# Altium PCB jieneng.PcbDoc
Units mm, origin at the board's own origin, x right, y up, seen from the top; angles counter-clockwise.
Board outline 66.04 x 28.32 mm, 2 copper layers (Top Layer, Bottom Layer); 45 components, 39 nets, 205 pads, 149 vias.
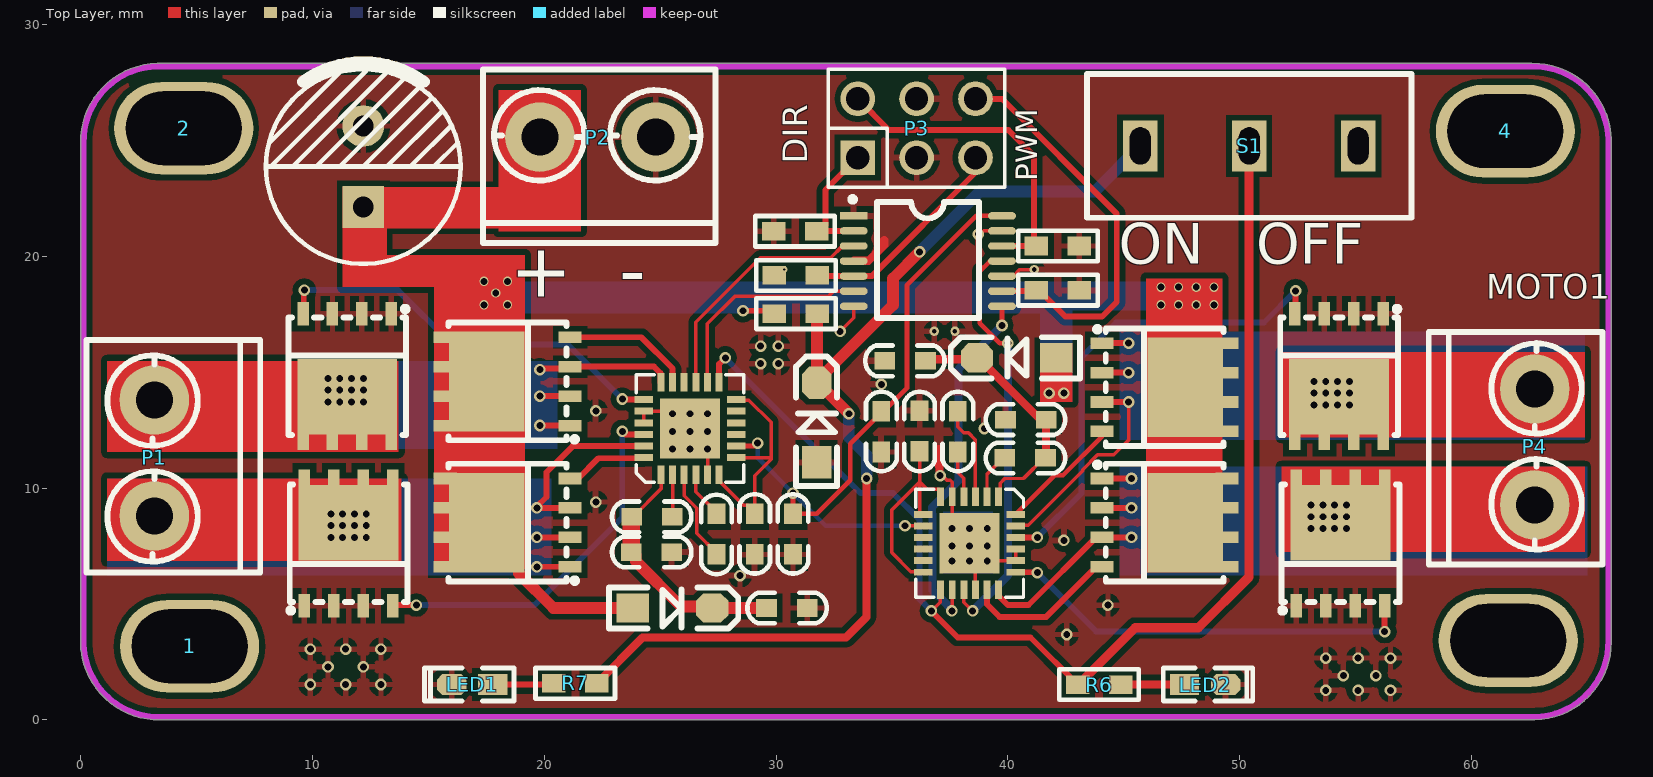
[diagram p0: Top Layer view]
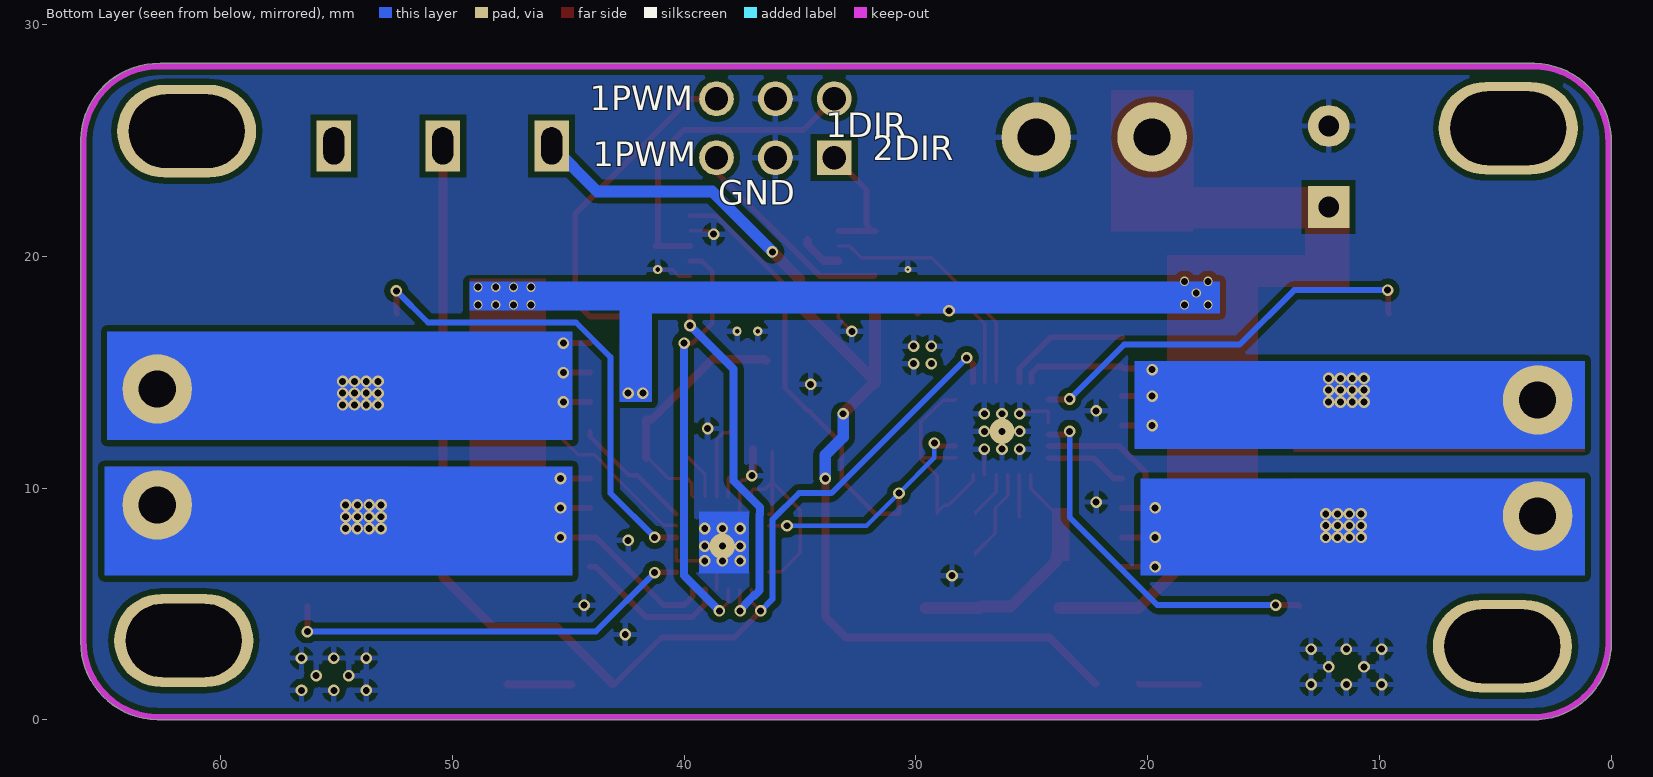
[diagram p1: Bottom Layer view, seen from below]
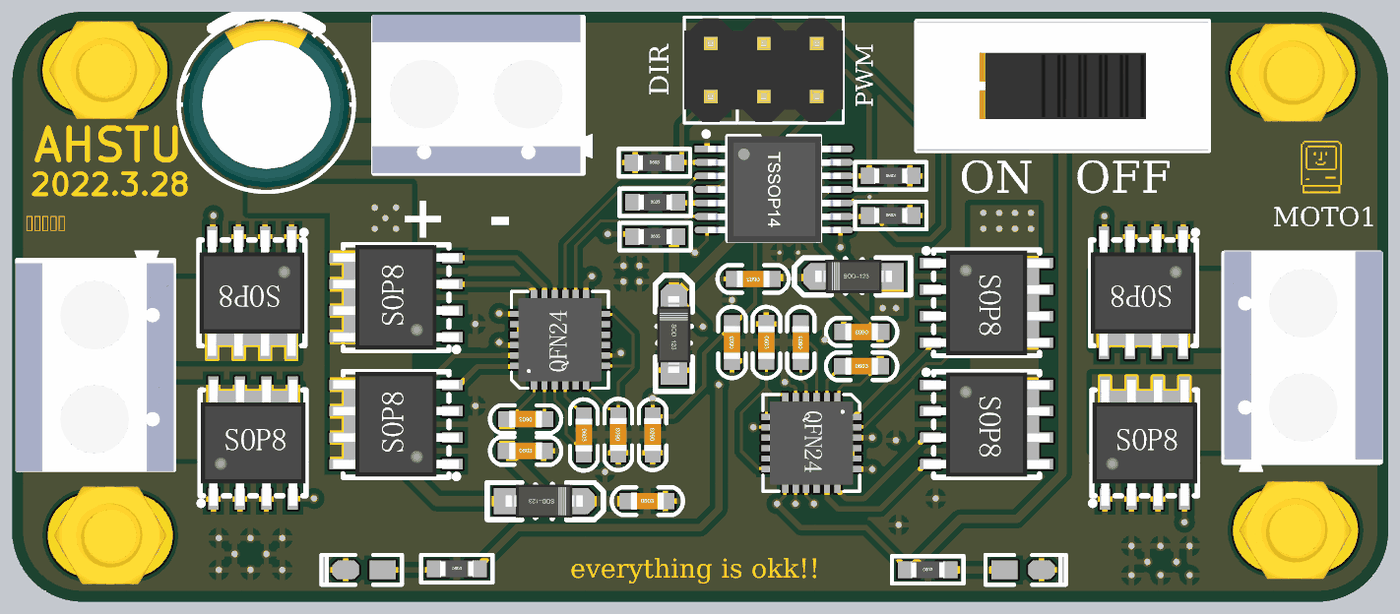
[diagram p2: 3D render of the assembled board from above, using the file's embedded part models]

## Layer stack, top to bottom
Top Solder: solder mask 0.0102, Solder Resist, Dk 3.5
Top Layer: signal copper 0.0356
Dielectric 1: dielectric 0.32, FR-4, Dk 4.8
Bottom Layer: signal copper 0.0356
Bottom Solder: solder mask 0.0102, Solder Resist, Dk 3.5

## Board outline
0,3.3 cw(c0.127,3.302) 0,3.302 0,24.891 cw(c3.365,24.956) 3.3,28.321 cw(c3.302,28.194) 3.303,28.321 62.61,28.321 cw(c62.674,24.956) 66.04,25.021 cw(c65.913,25.019) 66.04,25.019 66.04,3.43 ccw(c62.674,3.365) 66.04,3.431 66.04,3.43 cw(c62.674,3.365) 66.041,3.365 cw(c62.674,3.365) 62.74,0 cw(c62.738,0.127) 62.738,0 3.43,0 ccw(c3.365,3.365) 3.431,0 3.43,0 cw(c3.365,3.365) 0.022,2.977 cw(c0.127,3.048)

## Design rules (kind name [scope] priority, off if disabled: settings)
Clearance [All] p1: gap=0.254 ignorepadtopadclearanceinfootprint=FALSE except(0: Arc-Hole Track-Hole SMDPad-Hole THPad-Hole Via-Hole Fill-Hole Poly-Hole Region-Hole Text-Hole)
HoleSize [All] p1: absolutevalues=TRUE maxlimit=2.54 minlimit=0.015 maxpercent=80.000 minpercent=20.000
HoleToHoleClearance [All] p1: gap=0 allowstackedmicrovias=TRUE
PolygonConnect [All] p1: connectstyle=Relief reliefconductorwidth=0.254 reliefentries=4 polygonreliefangle="90 Angle" airgapwidth=0.254
RoutingVias [All] p1: holewidth=0.711 width=1.27 viastyle="Through Hole" minholewidth=0.711 minwidth=1.27 maxholewidth=0.711 maxwidth=1.27
SilkToSolderMaskClearance [IsPad] p1: minsilkscreentomaskgap=0.1 clearancetoexposedcopper=TRUE
SolderMaskExpansion [All] p1: expansion=0.102 istentingtop=FALSE
Width [All] p1: maxlimit=0.5 minlimit=0.15 preferedwidth=0.254 minimp=50.000000 maximp=50.000000 favimp=50.000000
27 further rules are at their usual default settings.

## Components (designator, comment, footprint, x,y, rotation, side; value= is the part's Value field where it differs from the comment)
1 "Hole" Hole 4.699,3.175 r180 top
2 "Hole" Hole 4.445,25.527 r180 top
3 "Hole" Hole 61.595,3.423 r180 top
4 "Hole" Hole 61.468,25.4 r180 top
C1 "100nF" "C 0603" 27.432,8.001 r270 top
C2 "1uF" "C 0603" 24.638,8.763 r180 top
C3 "1uF" "C 0603" 30.48,4.826 r0 top
C4 "100nF" "C 0603" 24.638,7.239 r0 top
C5 "1uF" "C 0603" 29.083,8.026 r90 top
C6 "1uF" "C 0603" 30.734,8.026 r90 top
C7 "220UF/25V" "CAP 3.5*8*11.5 - GD" 12.192,23.876 r90 top
C8 "100nF" "C 0603" 37.846,12.446 r90 top
C9 "1uF" "C 0603" 40.767,11.303 r0 top
C10 "10uF" "C 0603" 35.56,15.494 r180 top
C11 "100nF" "C 0603" 40.767,12.954 r180 top
C12 "1uF" "C 0603" 36.195,12.446 r270 top
C13 "1uF" "C 0603" 34.544,12.446 r90 top
D1 "BZT52C3V3" SOD-123 31.75,12.827 r90 top
D2 "1N5819" SOD-123 25.527,4.826 r0 top
D3 "1N5819" SOD-123 40.386,15.621 r180 top
LED1 "LED-SMD" "LED 0603R" 16.891,1.531 r180 top
LED2 "LED-SMD" "LED 0603R" 48.514,1.517 r0 top
P1 "Header 2" 接线端子-2 3.175,11.303 r90 top
P2 "Header 2" 接线端子-2 22.312,25.146 r0 top
P3 "Header 3X2" 201S2X3 33.528,24.257 r0 top
P4 "Header 2" 接线端子-2 62.738,11.777 r270 top
Q1 "TPH1R403NL" TPH1R403NL 21.115,6.604 r90 top
Q2 "TPH1R403NL" TPH1R403NL 21.115,12.7 r90 top
Q3 "TPH1R403NL" TPH1R403NL 9.652,4.92 r0 top
Q4 "TPH1R403NL" TPH1R403NL 13.402,17.526 r180 top
Q5 "TPH1R403NL" TPH1R403NL 44.069,16.256 r270 top
Q6 "TPH1R403NL" TPH1R403NL 44.069,10.414 r270 top
Q7 "TPH1R403NL" TPH1R403NL 56.201,17.526 r180 top
Q8 "TPH1R403NL" TPH1R403NL 52.451,4.92 r0 top
R1 "2.2K" "R 0603" 30.861,17.526 r0 top
R2 "10K" "R 0603" 30.823,21.082 r0 top
R3 "10K" "R 0603" 42.164,20.447 r0 top
R4 "10K" "R 0603" 30.861,19.177 r0 top
R5 "10K" "R 0603" 42.164,18.542 r0 top
R6 "10K" "R 0603" 43.942,1.524 r0 top
R7 "10K" "R 0603" 21.336,1.575 r0 top
S1 "ON   OFF" 驱动开关 50.419,24.765 r180 top
U1 "DRV8701E" QFN24 26.289,12.568 r90 top
U2 "DRV8701E" QFN24 38.354,7.62 r270 top
U3 "SN74HC125PWR" TSSOP14 33.351,21.747 r0 top

## Footprints (in the part's own frame and the unit in brackets; to place one, negate y for a bottom-side part, rotate by r counter-clockwise, add the part's x,y. Pads: shape width x height; smd on the part's side, far side on the other; paste and mask are expansions set on the pad)
201S2X3 [mm]
  rect 1.5x1.5 hole 1: 1(0,0)
  round 1.5 hole 1: 2(0,2.54) 3(2.54,0) 4(2.54,2.54) 5(5.08,0) 6(5.08,2.54)
  silkscreen extent -1.27,-1.27 6.35,3.81, body extent -1.27,-1.23 6.35,3.77, height 8.4
"C 0603" [mil]
  rect 35x30 smd: 1(-35,0) 2(34,0)
  silkscreen extent -67,-26 67,26, body extent -31,-16 31,16, height 32
"CAP 3.5*8*11.5 - GD" [mm] "脚距3.5mm直径8mm高度11.5mm"
  rect 1.8x1.8 hole 0.9: 1(-1.75,0)
  round 1.8 hole 0.9: 2(1.75,0)
  silkscreen extent -4.2,-4.2 4.5,4.2, body extent -4,-4 4.01,4, height 11.54
Hole [mm]
  rrect100% 6x4 hole 3.175 slot 5 at 0 deg: 1(0,0)
  body extent -2.7,-2.35 2.7,2.35, height 4.05
"LED 0603R" [mil]
  rect 50x35 smd: 1(-35,0.26)
  oct 50x35 smd: 2(35,0.26)
  silkscreen extent -71,-28 81,28, body extent -31,-16 32,16, height 24
QFN24 [mm]
  rect 2.6x2.6 smd: 0(0.005,0)
  rect 0.8x0.3 smd: 1(-2,1.25) 2(-2,0.75) 3(-2,0.25) 4(-2,-0.25) 5(-2,-0.75) 6(-2,-1.25) 13(2,-1.25) 14(2,-0.75) 15(2,-0.25) 16(2,0.25) 17(2,0.75) 18(2,1.25)
  rect 0.3x0.8 smd: 7(-1.25,-2) 8(-0.75,-2) 9(-0.25,-2) 10(0.25,-2) 11(0.75,-2) 12(1.25,-2) 19(1.25,2) 20(0.75,2) 21(0.25,2) 22(-0.25,2) 23(-0.75,2) 24(-1.25,2)
  silkscreen extent -2.32,-2.32 2.32,2.32, body extent -2,-2 2.01,2, height 0.9
"R 0603" [mil]
  rect 40x31.5 smd: 1(-36.5,0) 2(36.5,0)
  silkscreen extent -68,-26 68,26, body extent -31,-16 32,16, height 16
SOD-123 [mil]
  rect 55x50 smd: 1(-67.5,0)
  oct 55x50 smd: 2(67.5,0)
  silkscreen extent -108,-35 112,35, body extent -73,-31 73,31, height 48
TPH1R403NL [mm] "Connector; D Subminiature; 15 Position; Right Angle; Pitch 0.762 mm"
  rect 0.498x1.001 smd: D(0,5.39) D(1.27,5.39) D(2.54,5.39) D(3.81,5.39) G(3.81,0) S(0,0) S(1.27,0) S(2.54,0)
  rect 4.305x3.251 smd: D(1.905,3.589)
  silkscreen extent -0.69,-0.3 4.44,5.24, body extent -0.6,-0.32 4.42,5.72, height 1.6
TSSOP14 [mm]
  rect 1.2x0.32 smd: 1(0,0)
  oval 1.2x0.32 smd: 2(0,-0.65) 3(0,-1.3) 4(0,-1.95) 5(0,-2.6) 6(0,-3.25) 7(0,-3.9) 8(6.4,-3.9) 9(6.4,-3.25) 10(6.4,-2.6) 11(6.4,-1.95) 12(6.4,-1.3) 13(6.4,-0.65) 14(6.4,0)
  silkscreen extent -0.14,-4.4 5.4,0.81, body extent 0.03,-4.51 6.43,0.59, height 1.2
接线端子-2 [mm]
  round 3 hole 1.6: 1(-2.5,0) 2(2.5,0)
  silkscreen extent -4.95,-4.57 5.08,2.92, body extent -5.05,-4.57 5.55,3.03, height 10
驱动开关 [mm] "脚距322mm"
  rect 1.5x2.2 hole 0.9 slot 1.6 at 90 deg: 1(-4.7,0) 2(0,0) 2222(4.7,0)
  silkscreen extent -7,-3.1 7,3.1, body extent -7,-3.1 7,3.1, height 9.65

## Part data
C1 C2 C3 C4 C5 C6 C8 C9 C10 C11 C12 C13: library part C, "无极性贴片电容"
C7: library part C-CAP, "直插电解电容"
D1 D2 D3: library part 1N4007_1, "整流二极管"
LED1 LED2: "贴片LED"
P1 P2 P4: "Header, 2-Pin", LatestRevisionDate=17-Jul-2002, LatestRevisionNote="Re-released for DXP Platform.", Publisher="Altium Limited"
P3: "Header, 3-Pin, Dual row", LatestRevisionDate=17-Jul-2002, LatestRevisionNote="Re-released for DXP Platform.", Publisher="Altium Limited"
R1 R2 R3 R4 R5 R6 R7: library part R, "贴片电阻"
S1: library part 开关
U3: Code_IPC=SOIC127P1030-20, Code_JEDEC=MS-013, ComponentLink1Description="Manufacturer Link", ComponentLink1URL=http://www.ti.com/, ComponentLink2Description=Datasheet, ComponentLink2URL=http://www-s.ti.com/sc/ds/sn74hc244.pdf, DatasheetVersion=May-1997, LatestRevisionDate=13-Apr-2006, LatestRevisionNote="IPC-7351 Footprint Added.", PackageDescription="20-Pin Plastic Small Outline Integrated Circuit 1.27 mm Pitch", PackageReference=DW020, PackageVersion=Mar-2000, Published=8-Jun-2000, Publisher="Altium Limited"

## Via types
v1: diameter 0.5, hole 0.3, Top Layer to Bottom Layer, tented both sides, 130 vias
v2: diameter 0.4, hole 0.3, Top Layer to Bottom Layer, tented both sides, 13 vias
v3: diameter 0.4, hole 0.2, Top Layer to Bottom Layer, tented both sides, 3 vias
v4: diameter 1.1, hole 0.3, Top Layer to Bottom Layer, tented both sides, 2 vias
v5: diameter 0.3, hole 0.1, Top Layer to Bottom Layer, tented both sides, 1 vias

## Nets (pads, with @x,y where several pads share a name; then routed paths per layer and width w, separated by ;. In a path a pad name is that pad's centre, name@x,y a point inside that pad or via, vN(x,y) a via of type N, cw(c..) or ccw(c..) an arc to the next point about the centre after c; other vN are vias at no path point)
3V3: D1.2 R1.2 R7.2 S1.2222 | length 45.7
  Top Layer w0.35: R7.2 24.244,3.556 33.02,3.556 33.909,4.445 v1(33.909,10.414)
  Top Layer w0.5: R1.2 31.769,17.507 D1.2@31.769,14.624 ; v1(33.147,13.208) 31.813,14.541 D1.2 31.75,14.605 D1.2@31.769,14.624 ; v1(36.195,20.193) 35.047,19.045 35.047,17.902 D1.2@31.769,14.624
  Bottom Layer w0.5: v1(33.147,13.208) 33.147,12.192 33.909,11.43 v1(33.909,10.414) ; v1(36.195,20.193) 38.798,22.796 43.75,22.796 S1.2222
DVDD: C6.2 C13.2 U1.8 U2.8 U3.14 | length 28.8
  Top Layer w0.15: v1(35.566,8.376) 36.348,8.376 U2.8
  Top Layer w0.2: U1.8 29.09,11.818 v1(29.21,11.938) ; v1(30.734,9.779) C6.2 31.75,8.89 33.205,10.345 33.205,11.907 34.544,13.246 C13.2 34.646,13.31 35.651,14.315 35.651,18.76 38.638,21.747 U3.14
  Bottom Layer w0.2: v1(29.21,11.938) 29.21,11.303 v1(30.734,9.779) 32.137,8.376 v1(35.566,8.376)
GND: C3.2 C4.2 C5.1 C6.1 C7.2 C10.2 C11.2 C12.1 C13.1 D1.1 LED1.2 LED2.2 P2.2 P3.3 P3.4 Q3.S Q4.S Q7.S Q8.S R2.1 R3.2 R4.1 R5.2 U1.0 U1.5 U1.16 U1.20 U1.21 U2.0 U2.5 U2.16 U2.20 U2.21 U3.1 U3.4 U3.7 U3.10 U3.13 | length 15.5
  Top Layer w0.15: U1.21 U1.20 25.417,13.318 v1(25.527,13.208) ; U1.5 27.051,10.581 v1(27.051,11.684) ; v1(32.766,16.764) 33.351,17.349 U3.7 ; v1(37.084,10.541) 37.179,10.541 37.371,10.349 37.5,10.349 37.604,10.245 U2.5 37.604,8.267 v1(37.592,8.255) ; v1(38.354,6.858) 38.604,6.608 U2.16 ; v1(38.735,20.955) 38.83,20.955 38.972,21.097 U3.13 ; v1(39.116,6.858) 40.342,6.858 U2.20 U2.21 ; U3.10 40.233,19.147 40.517,19.431 v3(41.148,19.431)
  Top Layer w0.35: U3.4 33.366,19.812 33.989,19.812 34.671,20.494 34.671,20.701 ; 37.036,11.684 37.036,10.935 37.055,10.916 37.055,10.57 v1(37.084,10.541)
  other v1: 53.721,1.27 55.118,1.27 56.515,1.27 9.906,1.524 11.43,1.524 12.954,1.524 54.483,1.905 55.88,1.905 10.668,2.286 12.192,2.286 53.721,2.667 55.118,2.667 56.515,2.667 9.906,3.048 11.43,3.048 12.954,3.048 42.545,3.683 44.323,4.953 28.448,6.223 37.592,6.858 37.592,7.493 39.116,7.493 42.418,7.747 38.354,8.255 39.116,8.255 22.225,9.398 25.527,11.684 26.289,11.684 25.527,12.446 27.051,12.446 38.989,12.573 26.289,13.208 27.051,13.208 22.225,13.335 34.544,14.478 29.337,15.367 30.099,15.367 29.337,16.129 30.099,16.129
  other v3: 36.83,16.764 37.719,16.764
  other v4: 38.354,7.493 26.289,12.446
  other v5: 30.353,19.431
"L A": P1.1 Q1.S Q3.D U1.23 | length 10.7
  Top Layer w0.254: v1(19.685,6.604) Q1.S@21.115,6.604 ; v1(19.685,7.874) Q1.S@21.115,7.874 ; Q1.S@21.115,9.144 v1(19.685,9.144) 19.685,9.211 20.094,9.62 20.094,10.682 21.224,11.811 22.485,11.811 23.508,11.81 ; 23.508,11.818 U1.23
  other v1: 10.795,7.874 11.303,7.874 11.811,7.874 12.319,7.874 10.795,8.382 11.303,8.382 11.811,8.382 12.319,8.382 10.795,8.89 11.303,8.89 11.811,8.89 12.319,8.89
"L B": P1.2 Q2.S Q4.D U1.18 | length 8.4
  Top Layer w0.254: v1(19.812,12.7) Q2.S@21.115,12.7 ; v1(19.812,13.97) Q2.S@21.115,13.97 ; v1(19.812,15.113) 19.859,15.16 21.035,15.16 21.115,15.24 24.738,15.24 25.008,14.97 U1.18@25.008,14.568
  other v1: 10.668,13.716 11.176,13.716 11.684,13.716 12.192,13.716 10.668,14.224 11.176,14.224 11.684,14.224 12.192,14.224 10.668,14.732 11.176,14.732 11.684,14.732 12.192,14.732
L_EN: U1.14 U3.6 | length 9.4
  Top Layer w0.15: U1.14 27.039,17.084 28.243,18.288 32.272,18.288 32.481,18.497 U3.6
L_EN_IN: P3.5 R4.2 U3.5 | length 9.3
  Top Layer w0.254: R4.2 31.818,19.147 U3.5 34.133,19.147 38.608,23.622 P3.5
L_PH: U1.15 U3.3 | length 10.8
  Top Layer w0.15: U1.15 26.539,17.155 29.323,19.939 32.361,19.939 32.869,20.447 U3.3
L_PH_IN: P3.1 R2.2 U3.2 | length 5.5
  Top Layer w0.254: R2.2 31.765,21.097 R2.2@31.873,21.097 ; U3.2 R2.2@31.873,21.097 ; P3.1 32.131,22.86 32.131,21.355 R2.2@31.873,21.097
NetC1_1: C1.1 U1.4 | length 2
  Top Layer w0.15: U1.4 26.539,9.847 27.432,8.954 C1.1
NetC1_2: C1.2 U1.3 | length 4
  Top Layer w0.15: U1.3 26.039,9.669 26.582,9.125 26.582,8.05 27.432,7.201 C1.2
NetC2_1: C2.1 U1.2 | length 1.8
  Top Layer w0.15: C2.1 25.539,8.775 U1.2
NetC2_2: 
NetC4_1: C2.2 C3.1 C4.1 D2.2 U1.1 | length 9.4
  Top Layer w0.15: C2.2 23.838,8.763 25.039,9.964 U1.1
  Top Layer w0.5: C3.1 D2.2 27.178,4.889 25.904,4.889 23.944,6.85 23.944,7.108 C4.1@23.812,7.239 ; C4.1@23.812,7.239 C4.1 C4.1@23.812,7.239
NetC5_2: C5.2 U1.6 U1.7 U1.12 | length 11.5
  Top Layer w0.15: U1.6 27.539,10.318 28.598,9.259 28.777,9.259 C5.2@29.083,8.954 ; U1.7 29.718,11.318 29.789,11.247 ; U1.12 28.31,13.797 28.825,13.797 29.789,12.833 ; C5.2 C5.2@29.083,8.954 ; 29.789,11.318 29.789,12.833 ; C5.2@29.083,8.954 29.083,10.541 29.789,11.247 ; 29.789,11.247 29.789,12.833
NetC8_1: C8.1 U2.4 | length 2
  Top Layer w0.15: C8.1 37.846,10.685 38.104,10.427 U2.4
NetC8_2: C8.2 U2.3 | length 4.1
  Top Layer w0.15: C8.2 37.846,12.64 38.097,12.389 38.305,12.389 38.604,12.09 U2.3
NetC9_1: C9.1 U2.2 | length 2
  Top Layer w0.15: U2.2 39.104,10.592 39.814,11.303 C9.1
NetC9_2: 
NetC11_1: C9.2 C10.1 C11.1 D3.2 U2.1 | length 11.1
  Top Layer w0.15: U2.1 39.679,9.695 39.679,10.215 39.878,10.414 40.678,10.414 41.567,11.303 C9.2
  Top Layer w0.35: C10.1 36.512,15.557 38.608,15.557 D3.2 38.735,15.621 41.402,12.954 C11.1 41.656,11.328 C9.2
NetC12_2: C12.2 U2.6 U2.7 U2.12 | length 9.4
  Top Layer w0.15: C12.2 36.195,10.264 ; U2.12 36.333,6.391 35.818,6.391 34.987,7.222 34.987,9.056 36.195,10.264 ; U2.7 36.27,8.87 36.195,8.945 36.195,10.264 ; U2.6 37.104,9.87 37.029,9.945 36.514,9.945 36.195,10.264
NetLED1_1: LED1.1 R7.1 | length 2.6
  Top Layer w0.254: LED1.1 20.358,1.524 R7.1
NetLED2_1: LED2.1 R6.2 | length 2.8
  Top Layer w0.35: R6.2 47.574,1.524 47.6,1.549 LED2.1
NetQ1_G: Q1.G U1.24 | length 3.5
  Top Layer w0.254: Q1.G 21.463,10.414 22.336,11.287 U1.24@24.289,11.287
NetQ2_G: Q2.G U1.17 | length 5.6
  Top Layer w0.254: Q2.G 24.186,16.51 25.539,15.157 U1.17
NetQ3_G: Q3.G U1.22 | length 16
  Top Layer w0.254: Q3.G 13.495,4.953 v1(14.478,4.953) ; v1@23.508,12.318 U1.22
  Bottom Layer w0.254: v1(14.478,4.953) 19.589,4.953 23.368,8.732 v1(23.368,12.446)
NetQ4_G: Q4.G U1.19 | length 17.5
  Top Layer w0.254: Q4.G 9.622,17.556 9.622,18.512 v1(9.652,18.542) ; v1@23.508,13.818 U1.19
  Bottom Layer w0.254: v1(9.652,18.542) 13.685,18.542 16.035,16.192 21.019,16.192 v1(23.368,13.843)
NetQ5_G: Q5.G U2.24 | length 5.3
  Top Layer w0.2: U2.24@40.354,8.874 42.029,10.549 42.383,10.549 44.069,12.235 Q5.G
NetQ6_G: Q6.G U2.17 | length 6.7
  Top Layer w0.254: U2.17 39.104,4.988 39.647,4.445 41.659,4.445 43.818,6.604 Q6.G
NetQ7_G: Q7.G U2.22 | length 20.8
  Top Layer w0.254: U2.22 v1@41.135,7.87 ; Q7.G 52.421,17.556 v1(52.421,18.512)
  Bottom Layer w0.254: v1(41.275,7.874) 43.18,9.779 43.18,15.652 44.673,17.145 51.054,17.145 v1(52.421,18.512)
NetQ8_G: Q8.G U2.19 | length 17.9
  Top Layer w0.254: U2.19 v1@41.135,6.37 ; v1(56.261,3.81) Q8.G
  Bottom Layer w0.254: v1(41.275,6.35) 43.815,3.81 v1(56.261,3.81)
"R A": P4.1 Q5.S Q7.D U2.23 | length 11.5
  Top Layer w0.15: U2.23 40.375,8.391 40.89,8.391 43.24,10.74 43.24,10.799 43.873,11.432 44.579,11.432 45.212,12.065 v1(45.212,13.716)
  Top Layer w0.254: Q5.S@44.069,13.716 v1(45.212,13.716) ; Q5.S@44.069,14.986 v1(45.212,14.986) ; Q5.S@44.069,16.256 v1(45.212,16.256)
  other v1: 53.213,13.589 53.721,13.589 54.229,13.589 54.737,13.589 53.213,14.097 53.721,14.097 54.229,14.097 54.737,14.097 53.213,14.605 53.721,14.605 54.229,14.605 54.737,14.605
"R B": P4.2 Q6.S Q8.D U2.18 | length 9.9
  Top Layer w0.254: U2.18@39.635,5.62 39.635,5.323 40.005,4.953 40.897,4.953 43.818,7.874 44.069,7.874 v1(45.339,7.874) ; Q6.S@44.069,9.144 v1(45.339,9.144) ; Q6.S@44.069,10.414 v1(45.339,10.414)
  other v1: 53.086,8.255 53.594,8.255 54.102,8.255 54.61,8.255 53.086,8.763 53.594,8.763 54.102,8.763 54.61,8.763 53.086,9.271 53.594,9.271 54.102,9.271 54.61,9.271
R_EN: U2.14 U3.8 | length 15.7
  Top Layer w0.15: v1(37.592,4.699) 37.598,4.705 37.598,5.614 U2.14
  Top Layer w0.2: v1(39.751,17.018) U3.8
  Bottom Layer w0.35: v1(37.592,4.699) 37.592,4.74 37.382,4.95 37.382,4.98 36.984,5.378 36.954,5.378 36.753,5.579 36.753,8.868 36.735,8.886 36.735,9.176 37.877,10.318 37.877,15.144 v1(39.751,17.018)
R_EN_IN: P3.6 R5.1 U3.9 | length 17.7
  Top Layer w0.254: P3.6 39.751,26.797 44.704,21.844 44.704,18.034 44.069,17.399 42.488,17.399 41.345,18.542 R5.1 41.192,18.497 U3.9
R_PH: U2.15 U3.11 | length 18.2
  Top Layer w0.15: U2.15 38.104,5.076 v1(38.481,4.699)
  Top Layer w0.2: U3.11 39.234,19.797 38.797,19.36 38.797,17.118 39.659,16.256 v1(40.005,16.256)
  Bottom Layer w0.35: v1(38.481,4.699) 40.005,6.223 v1(40.005,16.256)
R_PH_IN: P3.2 R3.1 U3.12 | length 14
  Top Layer w0.254: P3.2 34.87,25.455 40.025,25.455 41.129,24.352 R3.1@41.129,20.447 ; U3.12 R3.1@41.129,20.447 ; R3.1 R3.1@41.129,20.447
SLEEP: R6.1 S1.2 U1.13 U2.13 | length 53.1
  Top Layer w0.15: v1(36.703,4.699) 37.084,5.08 37.084,5.6 U2.13
  Top Layer w0.254: U1.13 27.539,15.347 v1(27.813,15.621) ; v1(36.703,4.699) 36.703,4.696 37.843,3.556 40.983,3.556 R6.1
  Top Layer w0.4: R6.1@43.104,1.575 45.5,3.971 48.217,3.971 50.413,6.167 50.413,24.759 S1.2
  Bottom Layer w0.254: v1(27.813,15.621) 27.813,15.618 33.648,9.783 35.051,9.783 36.197,8.637 36.197,5.205 v1(36.703,4.699)
VM: C7.1 D2.1 D3.1 P2.1 Q1.D Q2.D Q5.D Q6.D R1.1 | length 9.7
  Top Layer w0.254: v1(28.575,17.653) 29.807,17.653 R1.1
  Top Layer w0.5: Q1.D@17.526,8.509 18.902,7.133 18.902,6.321 20.397,4.826 D2.1
  other v1: 41.783,14.097 42.418,14.097
  other v2: 17.399,17.907 18.415,17.907 46.609,17.907 47.371,17.907 48.133,17.907 48.895,17.907 17.907,18.415 46.609,18.669 47.371,18.669 48.133,18.669 48.895,18.669 17.399,18.923 18.415,18.923
pads on no net: 1.1 2.1 3.1 4.1 S1.1 U1.9 U1.10 U1.11 U2.9 U2.10 U2.11

## Polygon pours and split planes (outlines as drawn)
GND on Bottom Layer "GND_L02_P010" (solid, remove dead copper, pour order 10): 0.381,29.972 66.548,29.972 66.548,-2.159 66.294,-2.413 65.913,-2.032 -0.635,-2.032 -0.635,28.956
GND on Top Layer "GND_L01_P008" (solid, remove dead copper, pour order 8): -0.889,30.607 67.183,30.607 67.183,-2.667 66.929,-2.413 -1.651,-2.413 -1.651,29.845

## Keep-outs
Keep-Out Layer:
  lines w0.254: 0.127,3.048 0.127,24.892 cw(c3.365,24.956) 3.302,28.194 62.611,28.194 cw(c62.674,24.956) 65.913,25.019 65.913,3.429 cw(c62.674,3.365) 62.738,0.127 3.429,0.127 cw(c3.365,3.365) 0.127,3.302

## Other copper
Top Layer:
  rectangle net VM: 45.974,6.35 49.276,19.05
  rectangle net VM: 15.24,6.477 19.177,19.939
  rectangle net NetC4_1: 23.368,6.858 24.13,9.144
  rectangle net "L A": 1.143,6.858 13.843,10.414
  rectangle net "R B": 51.816,7.239 64.897,10.922
  rectangle net "L B": 1.143,11.557 13.716,15.494
  rectangle net "R A": 51.816,12.192 64.897,15.875
  rectangle net VM: 41.402,13.716 42.799,16.256
  rectangle net VM: 11.43,18.669 19.177,20.066
  rectangle net VM: 11.303,18.669 13.208,22.987
  rectangle net VM: 18.034,21.082 21.59,27.178
  rectangle net VM: 11.303,21.209 21.463,22.987
Bottom Layer:
  rectangle net "L A": 1.143,6.223 20.32,10.414
  rectangle net "R B": 44.831,6.223 65.024,10.922
  rectangle net GND: 37.211,6.315 39.37,8.995
  rectangle net "L B": 1.143,11.684 20.574,15.494
  rectangle net "R A": 44.831,12.065 64.897,16.764
  rectangle net VM: 41.402,13.716 42.799,18.923
  rectangle net VM: 16.891,17.526 42.291,18.923
  rectangle net VM: 41.783,17.653 49.276,18.923

## Silkscreen, mask and mechanical layers (free items; w line width, h text height)
Top Overlay:
  text "DIR" at 31.698,24.004 h1.8 r90
  text "PWM" at 41.604,23.232 h1.6 r90
  text "ON   OFF" at 44.796,19.09 h3
  text "MOTO1" at 60.636,17.815 h1.8
  text "+  -" at 18.542,17.484 h4
  text "power" at 14.477,3.5 h0
Bottom Overlay:
  text "1PWM" at 44.078,25.96 h1.8
  text "1DIR" at 33.897,24.8 h1.8
  text "2DIR" at 31.876,23.801 h1.8
  text "1PWM" at 43.951,23.547 h1.8
  text "GND" at 38.533,21.884 h1.8
Top Solder:
  drawing of 14 lines, arcs and shapes, not listed
  text "AHSTU" at 0.889,21.209 h1.52
  text "2022.3.28" at 0.762,19.558 h1
  text "视觉小白队" at 0.635,17.807 h1.52
  text "everything is okk!!" at 22.562,0.61 h1.8
Bottom Solder:
  text "安徽科技学院" at 40.03,2.293 h2
  text "视觉小白队" at 41.442,0.432 h2
  text "2022.3.28" at 31.832,0.181 h2